# Altium PCB FPGA_SHIELD_MARK1_Single_Side.PcbDoc (part 2 of 3)
Units mil, origin at the board's own origin, x right, y up, seen from the top; angles counter-clockwise.
Board outline 3360 x 2600 mil, 4 copper layers (Top Layer, VCC, GND, Bottom Layer); 151 components, 185 nets, 729 pads, 460 vias.
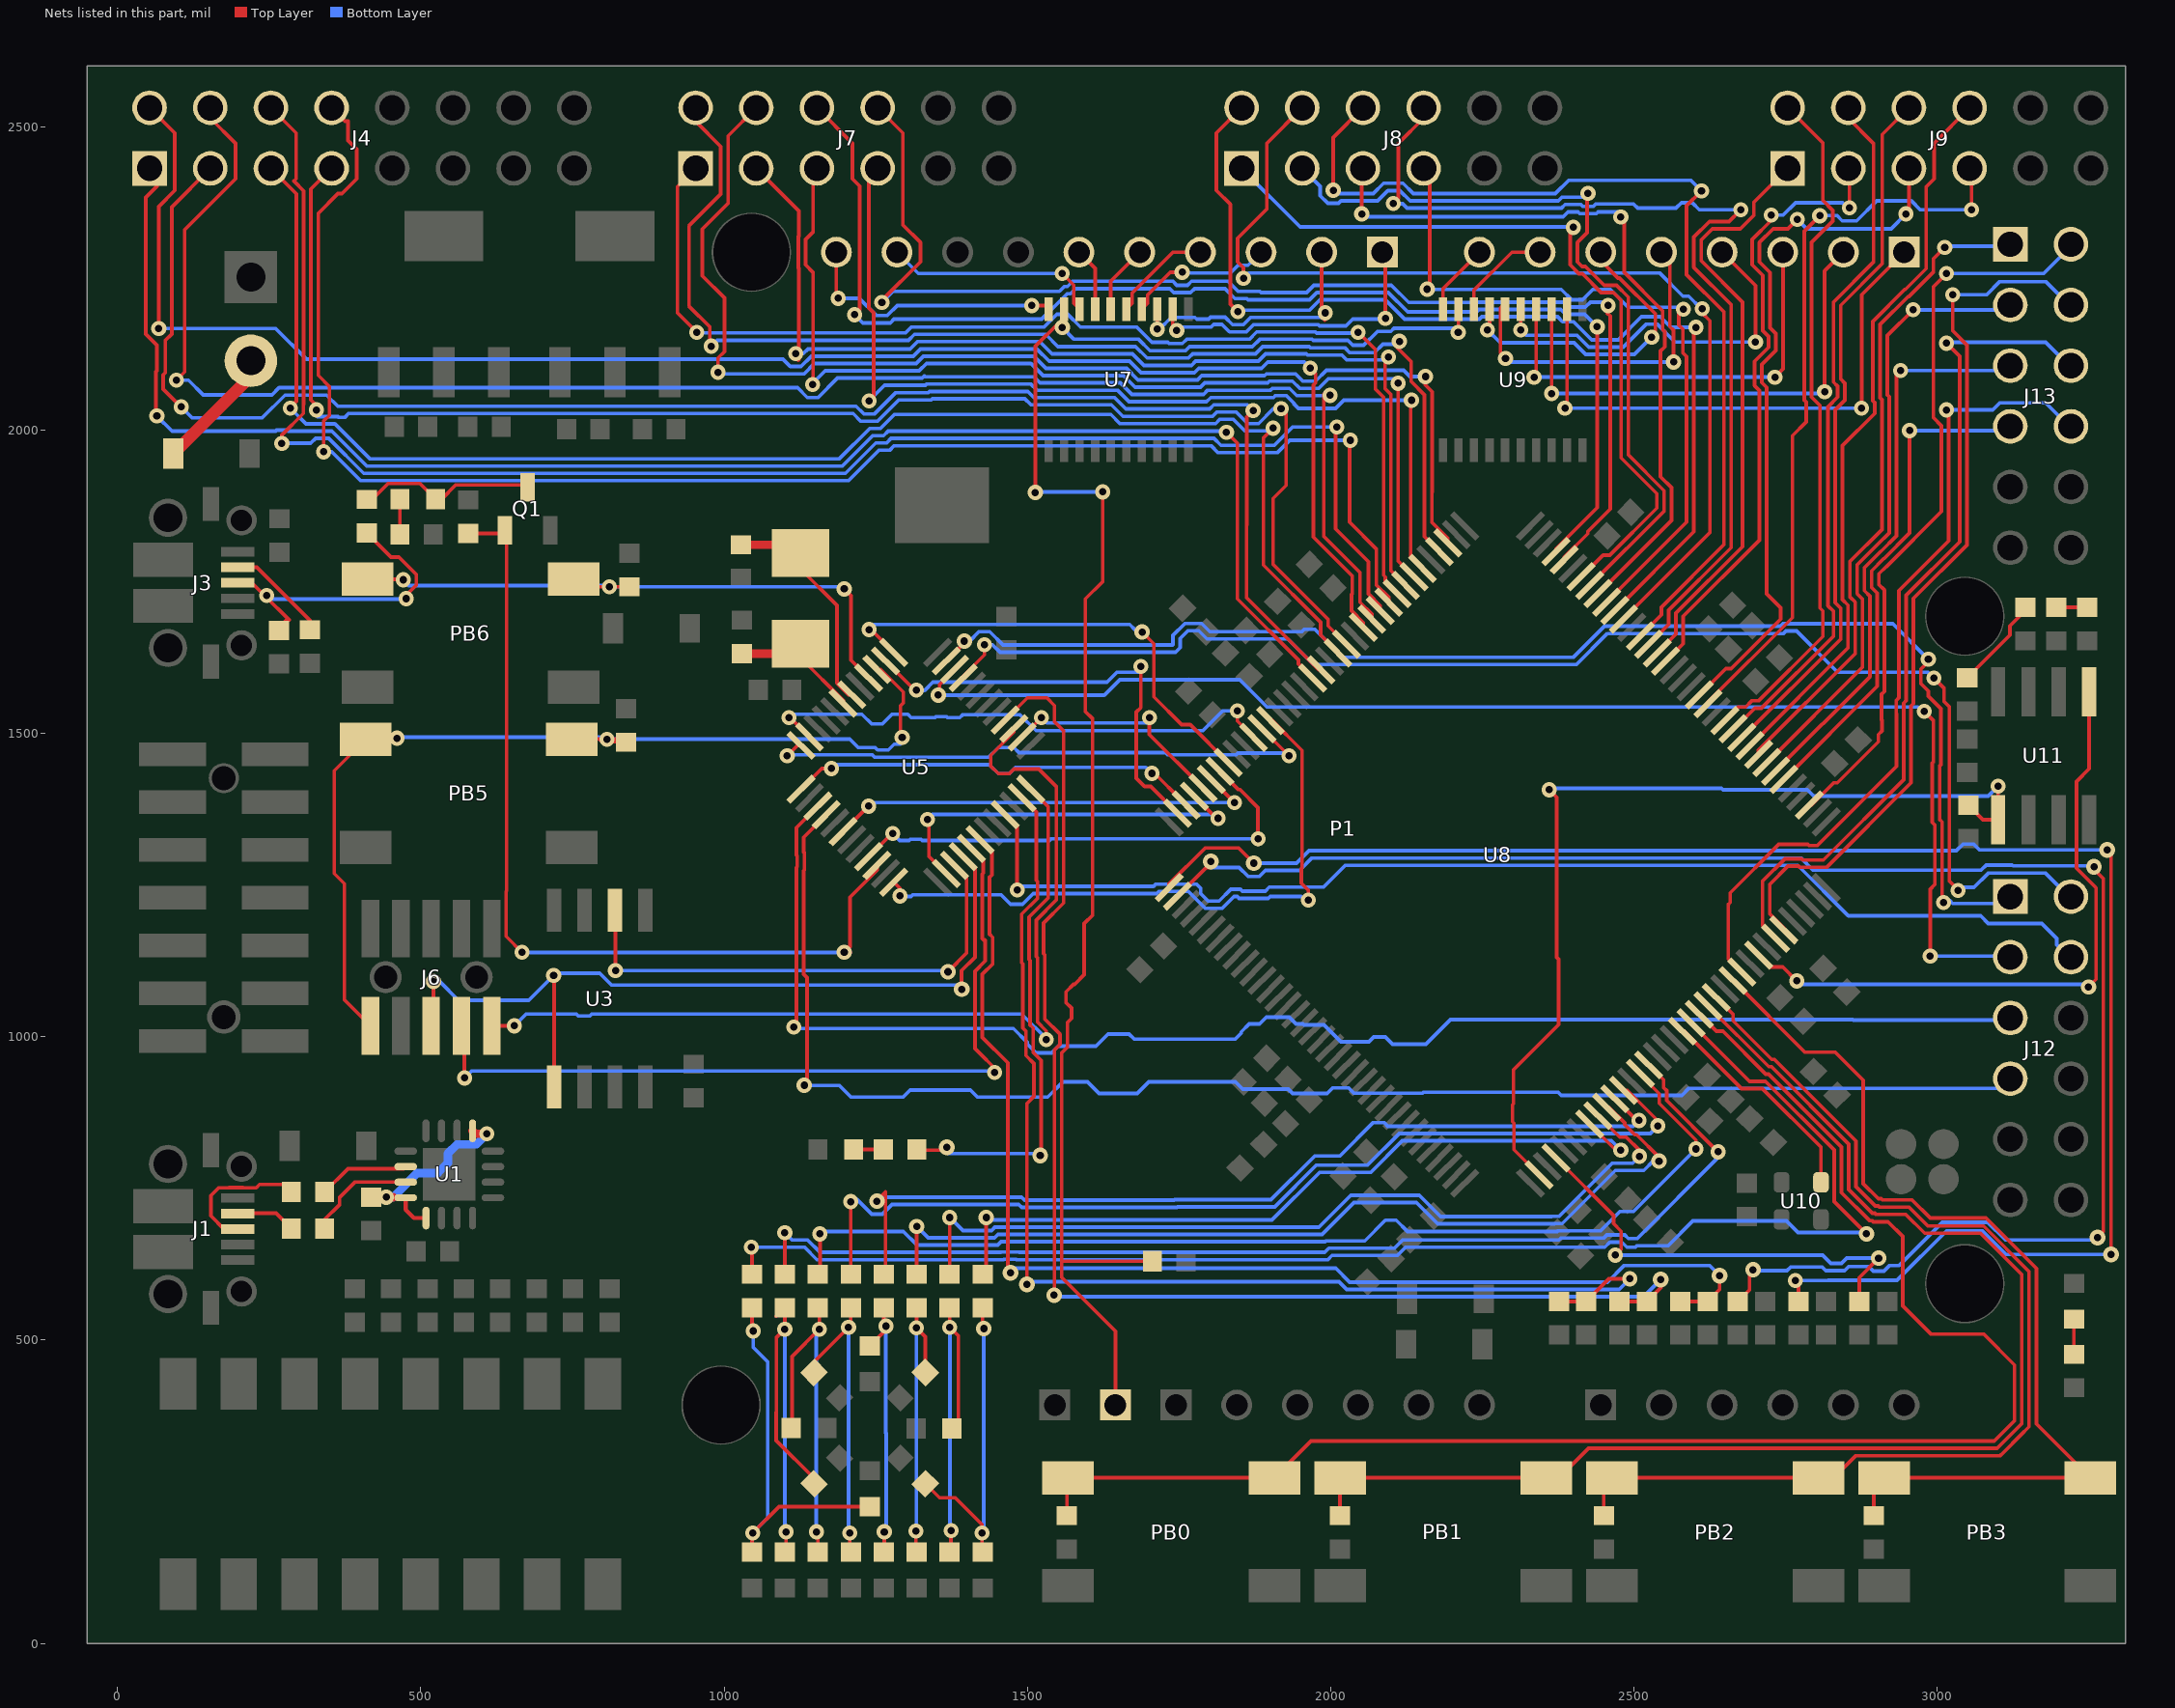
[diagram p4: the nets of this part, all layers, seen from the top]

## Via types
v1: diameter 25, hole 12, Top Layer to Bottom Layer, tented both sides, 386 vias
v2: diameter 25, hole 12, Top Layer to Bottom Layer, 37 vias
v3: diameter 26, hole 12, Top Layer to Bottom Layer, 16 vias
v4: diameter 26, hole 12, Top Layer to Bottom Layer, tented both sides, 12 vias
v5: diameter 26, hole 15, Top Layer to Bottom Layer, 5 vias
v6: diameter 25.98, hole 12.99, Top Layer to Bottom Layer, tented both sides, 4 vias

## Nets (pads, with @x,y where several pads share a name; then routed paths per layer and width w, separated by ;. In a path a pad name is that pad's centre, name@x,y a point inside that pad or via, vN(x,y) a via of type N, cw(c..) or ccw(c..) an arc to the next point about the centre after c; other vN are vias at no path point) (continued)
IOREF: P1.A0 R36.2 U7.19 U9.19 | length 2877.3
  Top Layer w6: v1(1513,1897) 1513,2138 v1@1550.72,2175.72 ; v1(1624,1898) 1624,1750 1595.5,1721.5 1595.5,1535.82 1607.5,1523.82 1607.5,1200.33 1593.5,1186.33 1593.5,1102.09 1577.91,1086.5 1576.09,1086.5 1563.5,1073.91 1563.5,1056.09 1572.5,1047.09 1572.5,1030.09 1566,1023.59 1566,982.62 1556.5,973.12 1556.5,632 ; P1.A0@1645,393 1645,514.6 1556.5,603.1 1556.5,632 ; R36.2@1705.97,630 1558.5,630 1556.5,632 ; v1(2210,2161) 2210.43,2161.43 U9.19@2210.43,2199.14
  Bottom Layer w6: v1(1513,1897) 1514,1898 v1(1624,1898) ; v1(1557.44,2169) 1576.94,2149.5 1683.12,2149.5 1702.12,2130.5 1760.39,2130.5 1767.39,2137.5 1870.82,2137.5 1882.82,2149.5 1969.41,2149.5 1971.41,2147.5 2028.09,2147.5 2036.09,2139.5 2053.91,2139.5 2076.91,2162.5 2099.09,2162.5 2104.09,2167.5 2203.5,2167.5 v1(2210,2161)
LED0: R19.2 U8.56 | length 2417.4
  Top Layer w6: v1(1045,653) 1046,652 R19.2@1046,608.56 ; U8.56@2593.76,1023 2690.26,926.5 2716.47,926.5 2829.76,813.21 2829.76,728.24 v3(2883,675)
  Bottom Layer w6: v1(1045,653) 1132.62,653 1153.12,632.5 1460.79,632.5 1461.29,633 1481.11,633 1481.61,632.5 1995.01,632.5 2002.01,639.5 2109.88,639.5 2123.38,653 2451.59,653 2460.09,661.5 2479.46,661.5 2487.96,653 2502,653 2504.5,655.5 2555.91,655.5 2596.91,696.5 2751.09,696.5 2770.09,677.5 2880.5,677.5 v3(2883,675)
LED1: R20.2 U8.51 | length 1890.5
  Top Layer w6: v1(1100,677) 1100.29,676.71 R20.2@1100.29,608.56 ; U8.51@2524.16,953.41 2548.5,929.06 2548.5,916.09 2553.55,911.05 2553.55,895.06 v1(2638.3,810.3)
  Bottom Layer w6: v1(1100,677) 1112,665 1137.59,665 1158.09,644.5 1455.82,644.5 1456.32,645 1486.08,645 1486.58,644.5 1990.04,644.5 1997.04,651.5 2104.91,651.5 2118.41,665 2376,665 2379,668 2449.62,668 2455.12,673.5 2484.43,673.5 2490.43,667.5 2505.31,667.5 2638.3,800.49 v1(2638.3,810.3)
LED2: R21.2 U8.50 | length 1766.3
  Top Layer w6: R21.2@1154.57,608.56 1158,611.99 v1(1158,675) ; U8.50@2510.24,939.49 2510.24,937.39 2541.55,906.08 2541.55,890.09 2602,829.64 v1(2602,815)
  Bottom Layer w6: v1(1158,675) 1162,679 1295.45,679 1317.95,656.5 1450.85,656.5 1456.35,662 1990.56,662 1992.06,663.5 2056.09,663.5 2090.09,697.5 2107.91,697.5 2126.41,679 2373.03,679 2374.03,680 2444.65,680 2476.62,711.96 2498.96,711.96 v1(2602,815)
LED3: R22.2 U8.48 | length 1611.7
  Top Layer w6: R22.2@1208.86,608.56 v1(1208.86,728.14) ; U8.48@2482.4,911.65 2488.76,911.65 2539,861.41 v1(2539,853)
  Bottom Layer w6: v1(1208.86,728.14) 1212.71,732 1218.59,732 1243.09,707.5 1260.91,707.5 1276.91,723.5 1485.53,723.5 1490.53,718.5 1746.38,718.5 1747.38,719.5 1907.5,719.5 1976.5,788.5 2060.91,788.5 2112.91,840.5 2526.5,840.5 v1(2539,853)
LED4: R23.2 U8.47 | length 1517.3
  Top Layer w6: v1(1252,729) 1252,730 1266,744 1266,611.42 R23.2@1263.14,608.56 ; U8.47@2468.48,897.73 2504.21,862 v1(2508,862)
  Bottom Layer w6: 1264,735.5 1490.51,735.5 1495.51,730.5 1741.41,730.5 1742.41,731.5 1901.55,731.5 1973.55,803.5 2015.09,803.5 2070.09,858.5 2087.91,858.5 2093.91,852.5 2498.5,852.5 v1(2508,862)
LED5: R25.2 U8.46 | length 1520.3
  Top Layer w6: R25.2@1317.43,608.56 v1(1317.43,687.43) ; U8.46@2454.56,883.81 2458.6,883.81 2484.5,857.91 2484.5,855.09 2501.09,838.5 2503.91,838.5 2541,801.41 v1(2541,795)
  Bottom Layer w6: v1(1317.43,687.43) 1336.36,668.5 1445.88,668.5 1451.38,674 1985.59,674 2038.09,726.5 2141.12,726.5 2176.12,691.5 2368.56,691.5 2369.06,692 2381.38,692 2468.88,779.5 2515.91,779.5 2531.41,795 v1(2541,795)
LED6: R26.2 U8.45 | length 1426.2
  Top Layer w6: R26.2@1371.71,608.56 1371.71,704.71 1372,704.43 v1(1372,702) ; U8.45@2440.64,869.89 2476.03,834.5 2486.91,834.5 2509,812.41 v1(2509,803)
  Bottom Layer w6: v1(1372,702) 1393.5,680.5 1440.91,680.5 1446.41,686 1980.62,686 2033.12,738.5 2146.09,738.5 2181.09,703.5 2363.59,703.5 2364.09,704 2376.41,704 2463.91,791.5 2497.5,791.5 v1(2509,803)
LED7: R27.2 U8.44 | length 1273.1
  Top Layer w6: R27.2@1426,608.56 1432,614.56 v1(1432,702) ; U8.44@2426.72,855.97 2469.69,813 v1(2478,813)
  Bottom Layer w6: v1(1432,702) 1436,698 1902.97,698 1981.47,776.5 2065.88,776.5 2117.88,828.5 2462.5,828.5 v1(2478,813)
MISO: U3.2 U5.27 | length 844.3
  Top Layer w6: U3.2@820,1208.67 821,1207.67 v1(821,1109) ; v3(1369,1107) 1399.5,1137.5 1399.5,1263.06 U5.27@1380.03,1282.53
  Bottom Layer w6: v1(821,1109) v3@1369,1109
MOSI_SWO: J6.6 U3.5 U5.28 | length 1406.7
  Top Layer w6: J6.6@517,1018 521,1022 v1(521,1091) ; v1(719,1101) 720,1100 U3.5@720,917.33 ; v3(1391.5,1078.25) 1391.5,1109.11 1413.39,1131 1413.39,1277.01 U5.28@1393.95,1296.45
  Bottom Layer w6: v1(521,1091) 531,1091 562,1060 678,1060 v1(719,1101) 722.5,1104.5 795.09,1104.5 814.59,1085 1384.75,1085 v3(1391.5,1078.25)
NetC1_2: C1.2 U1.1 U1.8 U1.9 | length 329.1
  Top Layer w7: U1.8@475.15,734.61 475.15,714.85 488.85,701.15 U1.9@508.61,701.15
  Top Layer w14: C1.2@418,735.56 v1@454,735.56 ; U1.1@585.39,844.85 590.24,840 v1(609,840)
  Bottom Layer w14: v1@454,736 454,735 494.37,775.37 528.13,775.37 544.63,791.87 544.63,807.39 559.86,822.61 591.61,822.61 v1(609,840)
  other v1: 443,735.56
NetC9_2: C9.2 U5.7 U6.1 | length 231.1
  Top Layer w6: U6.1@1126,1647.94 1126,1624.41 1196.29,1554.11 U5.7@1196.29,1549.79
  Top Layer w14: C9.2@1029,1631.44 1109.5,1631.44 U6.1@1126,1647.94
NetC10_2: C10.2 U5.6 U6.2 | length 375
  Top Layer w6: U6.2@1126,1797.54 1126,1771 1186,1711 1186,1583 1205.29,1563.71 U5.6@1210.21,1563.71
  Top Layer w14: C10.2@1028,1810.56 1112.98,1810.56 U6.2@1126,1797.54
NetC29_1: C29.1 R32.1 U5.35 | length 1976.7
  Top Layer w6: U5.35@1491.38,1393.89 1514.66,1370.61 1514.66,1257.71 1516.5,1255.88 1516.5,1228.12 1490.5,1202.12 1490.5,1122.18 1492.5,1120.18 1492.5,1014.18 1497.5,1009.18 1497.5,968.91 1510.5,955.91 1510.5,901.51 1499,890.01 v3(1499,592) ; R32.1@2376,563.56 C29.1@2421,563.56 2458.44,601 v2(2493,601)
  Bottom Layer w6: v3(1499,592) 1503,596 2013.62,596 2026.12,583.5 2475.5,583.5 v2(2493,601)
NetC32_1: C32.1 R34.1 U5.40 | length 2213.3
  Top Layer w6: U5.40@1463.55,1521.95 1500,1558.4 1531.9,1558.4 1544.5,1545.81 1544.5,1518.94 1559.5,1503.94 1559.5,1220.21 1526.5,1187.21 1526.5,1137.09 1528.5,1135.09 1528.5,1029.09 1553.5,1004.09 1553.5,987.09 1544.5,978.09 1544.5,574.5 v3(1544,574) ; R34.1@2475,564.56 R34.1@2476,563.56 C32.1@2521,563.56 2544,586.56 v4(2544,600)
  Bottom Layer w6: v3(1544,574) 1546.5,571.5 2515.5,571.5 v4(2544,600)
NetC37_1: C37.1 R35.1 U5.30 | length 2052.6
  Top Layer w6: U5.30@1421.79,1324.29 1441.23,1304.85 1441.23,1266.57 1437.39,1262.73 1437.39,1168.99 1442.5,1163.88 1442.5,1119.91 1425.5,1102.91 1425.5,1085.09 1425.5,1066.42 1425.5,998.91 1467.5,956.91 1467.5,615.5 v3(1472,611) ; R35.1@2572,567.56 R35.1@2576,563.56 C37.1@2621,563.56 2641,583.56 v4(2641,606)
  Bottom Layer w6: v3(1472,611) 1479.25,618.25 2008.34,618.25 2031.09,595.5 2456.39,595.5 2483.89,623 2624,623 v4(2641,606)
NetC46_2: C46.2 R45.1 | length 155.8
  Top Layer w6: C46.2@3049,1591.56 3119.27,1661.83 3119.27,1677.19 3145,1702.92 R45.1@3145,1707.56
NetC47_1: C47.1 R46.2 | length 51
  Top Layer w6: R46.2@3196,1707.56 C47.1@3247,1707.56
NetD1_2: D1.2 J5.2 | length 206.1
  Top Layer w20: D1.2@92.01,1961 220,2088.99 J5.2@220,2114.1
NetD3_A: D3.A Q1.3 R7.1 | length 297.8
  Top Layer w6: R7.1@411,1885.56 419.82,1885.56 446,1911.73 498.8,1911.73 D3.A@524.53,1886 534.23,1886 557.54,1909.31 672.13,1909.31 Q1.3@676,1905.43
NetD3_C: D3.C R9.2 | length 58
  Top Layer w6: R9.2@465.47,1828.03 D3.C@465.47,1886
NetD7_C: D7.C R44.1 | length 57.9
  Top Layer w6: R44.1@3225,476.56 D7.C@3225,534.47
NetDC1_A: DC1.A DC10.A R19.1 | length 635.5
  Top Layer w6: DC1.A@1046,150.53 1046,181 v1(1047,182) 1090.47,225.47 DC10.A@1240,225.47 ; R19.1@1046,553.44 1046,517 v1(1048,515)
  Bottom Layer w6: v1(1047,182) 1072,207 1072,464 1048,488 v1(1048,515)
NetDC2_A: DC2.A R24.2 | length 48.9
  Top Layer w6: DC2.A@1213.53,814 R24.2@1262.44,814
NetDC3_A: DC3.A DC5.A R20.1 | length 711.2
  Top Layer w6: R20.1@1085.72,539.17 R20.1@1100,553.44 ; DC3.A@1100.29,150.53 1102,152.24 v1(1102,184) ; R20.1@1100.29,553.44 1100.29,518.29 v1(1100,518) 1086,504 1086,381.01 1085.72,380.73 1085.72,334.54 1148.41,271.85 DC5.A@1148.41,263.41
  Bottom Layer w6: v1(1100,518) 1100,186 v1(1102,184)
NetDC4_A: DC4.A DC6.A R21.1 | length 589.3
  Top Layer w6: DC6.A@1110.47,355 1112,356.53 1112,473 v1(1157,518) 1157,551.01 R21.1@1154.57,553.44 ; v1(1152,184) 1154.57,181.43 DC4.A@1154.57,150.53
  Bottom Layer w6: v1(1152,184) 1152,513 v1(1157,518)
NetDC7_A: DC7.A DC8.A R22.1 | length 501.1
  Top Layer w6: DC7.A@1148.41,446.59 1148.41,464.41 v1(1205,521) 1208.86,524.86 R22.1@1208.86,553.44 ; v1(1207,182) 1207,152.38 DC8.A@1208.86,150.53
  Bottom Layer w6: v1@1205,184 v1(1205,521)
NetDC9_A: DC9.A DC11.A R23.1 | length 450.2
  Top Layer w6: DC11.A@1240,490.53 1267,517.53 v1(1267,523) 1263.14,526.86 R23.1@1263.14,553.44 ; DC9.A@1263.14,150.53 1264,151.38 v1(1264,184)
  Bottom Layer w6: v1(1264,184) 1267,187 1267,346.59 1266.5,347.09 1266.5,522.5 v1(1267,523)
NetDC12_A: DC12.A DC16.A R25.1 | length 483.6
  Top Layer w6: v1(1316,185) 1316,151.96 DC12.A@1317.43,150.53 ; R25.1@1317.43,553.44 1317.43,520.43 v1(1317,520) 1331.59,505.41 DC16.A@1331.59,446.59
  Bottom Layer w6: v1(1316,185) 1317,186 v1(1317,520)
NetDC13_A: DC13.A DC15.A R26.1 | length 581.9
  Top Layer w6: DC13.A@1371.71,150.53 1374,152.81 v1(1374,186) ; R26.1@1371.71,553.44 1371.71,521.29 v1(1372,521) 1386,507 1386,364.47 DC15.A@1375.53,354
  Bottom Layer w6: v1(1372,521) 1372,188 v1(1374,186)
NetDC14_A: DC14.A DC17.A R27.1 | length 540.7
  Top Layer w6: DC14.A@1331.59,263.41 1355,240 1381,240 1425,196 v1(1425,182) 1425,151.53 DC17.A@1426,150.53 ; R27.1@1426,553.44 1426,521 v1(1428,519)
  Bottom Layer w6: v1(1425,182) 1428,185 v1(1428,519)
NetJ1_2: J1.2 R4.1 | length 97.7
  Top Layer w6: J1.2@199.29,708.59 199.7,709 261.44,709 R4.1@286.44,684
NetJ1_3: J1.3 R5.1 | length 233.2
  Top Layer w6: J1.3@199.29,683 J1.3@198.29,683 175.72,683 154,704.72 154,738.05 167,751.06 183.58,751.06 184,751.47 207,751.47 207.42,751.06 228.65,751.06 234.09,756.5 273.94,756.5 R5.1@286.44,744
NetJ3_2: J3.2 R6.1 | length 169.7
  Top Layer w6: J3.2@199.29,1773.59 229.81,1773.59 317,1686.41 R6.1@317,1670.56
NetJ3_3: J3.3 R1.1 R7.2 | length 528.5
  Top Layer w6: J3.3@199.29,1748 221.86,1748 v1@242.86,1727 ; v1(246,1727) v1@242.86,1727 ; R1.1@266,1669.56 266,1674 278.86,1686.86 283,1686.86 v1@242.86,1727 ; R7.2@411,1830.44 450.94,1790.5 463.91,1790.5 492.5,1761.91 492.5,1744.09 476,1727.59 v1(476,1722)
  Bottom Layer w6: v1(246,1727) 252,1721 475,1721 v1(476,1722)
NetJ6_2: J6.2 U5.39 | length 1588.5
  Top Layer w6: J6.2@617,1018 v1(654,1018) ; U5.39@1477.47,1508.03 1477.47,1501.87 1439.5,1463.91 1439.5,1446.09 1452.09,1433.5 1469.91,1433.5 1477.57,1441.17 1518.74,1441.17 1547.5,1412.41 1547.5,1225.18 1514.5,1192.18 1514.5,1132.12 1516.5,1130.12 1516.5,1024.12 1531,1009.62 v1(1531,995)
  Bottom Layer w6: v1(654,1018) 673.5,1037.5 756.39,1037.5 759.89,1034 778.11,1034 781.61,1037.5 1490.5,1037.5 1532,996 v1(1531,995)
NetJ6_4: J6.4 U5.29 | length 1393.9
  Top Layer w6: J6.4@567,1018 572,1013 v1(572,932) ; U5.29@1407.87,1310.37 1407.87,1309.16 1427.31,1289.72 1427.31,1269.62 1425.39,1267.71 1425.39,1161.86 1427.75,1159.5 1429.91,1159.5 1430.5,1158.91 1430.5,1124.88 1413.5,1107.88 1413.5,1080.12 1413.5,1071.39 1413.5,980.5 1453,941 v1(1446,941)
  Bottom Layer w6: v1(572,932) 583.5,943.5 1450.5,943.5 1453,941 v1(1446,941)
NetJ6_10: J6.10 PB5.B R17.2 U5.3 | length 1678.8
  Top Layer w6: PB5.B@409,1490 357.5,1438.5 357.5,1268.77 374,1252.27 374,1061 J6.10@417,1018 ; PB5.B@409,1491 460,1491 v1(461,1492) ; PB5.B@736,1491 794,1491 ; R17.2@825,1486.44 798.56,1486.44 794,1491 ; R17.2@832,1493.44 829.56,1491 794,1491 ; U5.3@1251.97,1605.47 1257.94,1605.47 1295.5,1567.91 1295.5,1550.09 1290.5,1545.09 1290.5,1496.38 v1(1293.44,1493.44)
  Bottom Layer w6: v1(461,1492) 462.44,1493.44 794,1493.44 ; 794,1491 794.5,1490.5 1207.09,1490.5 1221.09,1476.5 1249.09,1476.5 1253.09,1472.5 1270.91,1472.5 1280.41,1482 v1@1290.5,1482
  other v1: 807,1490
NetP1_C1: P1.C1 U9.12 | length 950.6
  Top Layer w6: v1(2386,2036) 2389.57,2039.57 U9.12@2389.57,2210.14 ; v1(2875,2036) 2875,2223 P1.C1@2945,2293
  Bottom Layer w6: v1(2386,2036) v1(2875,2036)
NetP1_C2: P1.C2 U9.13 | length 843
  Top Layer w6: v1(2364,2060) U9.13@2363.98,2210.14 ; v1(2814,2063) 2814,2262 P1.C2@2845,2293
  Bottom Layer w6: v1(2364,2060) v1@2814,2060
NetP1_C3: P1.C3 U9.14 | length 733.3
  Top Layer w6: v1(2335,2087) 2338.39,2090.39 U9.14@2338.39,2210.14 ; v1(2732,2087) 2745.5,2100.5 2745.5,2292.5 P1.C3@2745,2293
  Bottom Layer w6: v1(2335,2087) v1(2732,2087)
NetP1_C4: P1.C4 U9.15 | length 642.8
  Top Layer w6: U9.15@2312.8,2210.14 2313,2209.94 v1(2313,2165) ; P1.C4@2645,2293 2700,2238 v1(2700,2145)
  Bottom Layer w6: v1(2313,2165) 2322,2156 2405.62,2156 2425.12,2136.5 2482.09,2136.5 2520.09,2174.5 2537.91,2174.5 2567.41,2145 v1(2700,2145)
NetP1_C5: P1.C5 U9.16 | length 568.3
  Top Layer w6: U9.16@2287.2,2210.14 2288,2209.35 2279.5,2200.85 2279.5,2126.5 v1(2288,2118) ; P1.C5@2545,2293 2559,2279 2559,2170.38 2565,2164.38 v1(2565,2112)
  Bottom Layer w6: v1(2288,2118) 2294,2112 v1(2565,2112)
NetP1_C6: P1.C6 U9.17 | length 529.1
  Top Layer w6: v1(2258,2165) 2261,2165 2261.61,2165.61 U9.17@2261.61,2199.14 U9.17@2261.61,2210.14 ; P1.C6@2445,2293 2445,2279 2473.5,2250.5 2475.85,2250.5 2535,2191.35 2535,2159 v1(2529,2153)
  Bottom Layer w6: v1(2258,2165) 2279.5,2143.5 2401.15,2143.5 2420.15,2124.5 2500.5,2124.5 v1(2529,2153)
NetP1_C7: P1.C7 U9.18 | length 155.1
  Top Layer w6: U9.18@2236.02,2210.14 2236.02,2230.21 2298.82,2293 P1.C7@2345,2293
NetP1_C8: P1.C8 U9.20 | length 107.8
  Top Layer w6: U9.20@2184.84,2210.14 2184.84,2232.84 P1.C8@2245,2293
NetP1_D1: P1.D1 U7.12 | length 513.2
  Top Layer w6: U7.12@1739.57,2199.14 1739.57,2170.43 v1(1746,2164) ; P1.D1@2085,2293 2090,2288 v1(2090,2184)
  Bottom Layer w6: v1(1746,2164) 1751.5,2169.5 1802.5,2169.5 1807,2174 1820.62,2174 1833.12,2161.5 1860.88,2161.5 1872.88,2173.5 1979.35,2173.5 1981.35,2171.5 2025.09,2171.5 2036.09,2182.5 2088.5,2182.5 v1(2090,2184)
NetP1_D2: P1.D2 U7.13 | length 460.7
  Top Layer w6: v1(1714,2166) U7.13@1713.98,2199.14 ; P1.D2@1985,2293 1985,2186 1990,2181 1991,2182 v1(1991,2193)
  Bottom Layer w6: v1(1714,2166) 1717.59,2166 1737.09,2185.5 1776.09,2185.5 1779.09,2182.5 1798.53,2182.5 1802.03,2186 1825.59,2186 1838.09,2173.5 1855.91,2173.5 1867.91,2185.5 1983.5,2185.5 v1(1991,2193)
NetP1_D3: P1.D3 U7.14 | length 244.8
  Top Layer w6: U7.14@1688.39,2199.14 1698.09,2208.84 1698.09,2222.55 1735.53,2260 v1(1755,2260)
  Bottom Layer w6: v1(1755,2260) 1756.5,2258.5 1834.09,2258.5 1847.09,2271.5 1863.5,2271.5 P1.D3@1885,2293
NetP1_D4: P1.D4 U7.15 | length 170.8
  Top Layer w6: U7.15@1662.8,2199.14 1672.5,2208.84 1672.5,2225.5 1740,2293 P1.D4@1785,2293
NetP1_D5: P1.D5 U7.16 | length 113.7
  Top Layer w6: U7.16@1637.2,2199.14 1637.2,2245.2 P1.D5@1685,2293
NetP1_D6: P1.D6 U7.17 | length 104.9
  Top Layer w6: P1.D6@1585,2293 1611.61,2266.39 U7.17@1611.61,2199.14
NetP1_D9: P1.D9 U7.18 | length 357.4
  Top Layer w6: v1(1557,2258) 1576.32,2238.68 1576.32,2208.84 U7.18@1586.02,2199.14
  Bottom Layer w6: P1.D9@1285,2293 1320,2258 v1(1557,2258)
NetP1_D10: P1.D10 U7.20 | length 445.2
  Top Layer w6: P1.D10@1185,2293 1185,2220 v1(1188,2217) ; v1(1507,2205) 1528.98,2205 U7.20@1534.84,2199.14
  Bottom Layer w6: v1(1188,2217) 1222.59,2217 1251.09,2188.5 1268.91,2188.5 1285.41,2205 v1(1507,2205)
NetPB6_B: PB6.B R18.2 U5.4 | length 1054.3
  Top Layer w6: PB6.B@412,1754 470,1754 v1(471,1753) ; PB6.B@752,1754 764.56,1741.44 v1(811,1741.44) R18.2@844,1741.44 ; v1(1198,1738) 1209,1727 1209,1620.6 U5.4@1238.05,1591.55 U5.4@1239.45,1591.55
  Bottom Layer w6: v1(471,1753) 480.5,1743.5 808.94,1743.5 v1(811,1741.44) 811.06,1741.5 1194.5,1741.5 v1(1198,1738)
NetQ1_1: Q1.1 R12.1 U5.22 | length 1477.3
  Top Layer w6: R12.1@578,1829.44 633.47,1829.44 Q1.1@638.6,1834.57 641.5,1831.67 641.5,1240.09 640.5,1239.09 640.5,1165.5 v1(667,1139) ; v1@1207.5,1139 v1(1198,1139) 1207.5,1148.5 1207.5,1229.91 1251.97,1274.38 U5.22@1251.97,1282.53
  Bottom Layer w6: v1(667,1139) v1(1198,1139)
NetR4_2: R4.2 U1.7 | length 180.8
  Top Layer w6: R4.2@341.56,684 341.56,698.79 366.31,723.54 366.31,735.31 391.31,760.31 475.05,760.31 U1.7@475.15,760.2
NetR5_2: R5.2 U1.6 | length 150.9
  Top Layer w6: R5.2@341.56,744 379.84,782.28 471.64,782.28 U1.6@475.15,785.8
NetR24_1: R24.1 U5.36 | length 854.1
  Top Layer w6: R24.1@1317.56,814 1318.56,813 1362,813 v4(1367,818) ; U5.36@1505.3,1407.81 1534,1379.11 1534,1228.65 1502.5,1197.15 1502.5,1127.15 1504.5,1125.15 1504.5,1019.15 1509.5,1014.15 1509.5,973.88 1522.5,960.88 1522.5,805.5 v4(1521,804)
  Bottom Layer w6: v4(1367,818) 1367,810 1369.5,807.5 1517.5,807.5 v4(1521,804)
NetR37_2: R37.2 U8.2 | length 2892.8
  Top Layer w6: U8.2@1747.45,1231.79 1794.66,1279 1802,1279 v4(1802,1289) ; R37.2@2671,563.56 2690.27,582.83 2690.27,610.27 v2(2696,616) ; v3(3258,1280) 3258,1276 3273.5,1260.5 3273.5,678.5 v3(3264,669)
  Bottom Layer w6: v4(1802,1289) 1802,1279 1848.89,1279 1863.89,1264 1882.11,1264 1892.11,1274 1948.59,1274 1969.09,1294.5 2774.72,1294.5 2794.72,1274.5 3071.8,1274.5 3080.3,1283 3123,1283 3124.5,1281.5 3256.5,1281.5 v3(3258,1280) ; v2(2696,616) 2697.5,614.5 2752.09,614.5 2758.09,620.5 2809.91,620.5 2815.91,614.5 2846.88,614.5 2853.68,621.31 2886.29,621.31 2894.09,613.5 2911.91,613.5 2921.41,623 2937,623 3008,694 3083,694 3112,665 3260,665 v3(3264,669)
NetR39_2: R39.2 U8.1 | length 2880.4
  Top Layer w6: U8.1@1733.53,1245.71 1733.53,1251.65 1792.89,1311 1848,1311 v4(1873,1286) ; v2(2766,598) 2771,593 R39.2@2771,563.56 ; v3(3280,1308) 3286,1302 v3(3286,641)
  Bottom Layer w6: v4(1873,1286) 1943.62,1286 1964.12,1306.5 3031.09,1306.5 3042.09,1317.5 3059.91,1317.5 3069.41,1308 v3(3280,1308) ; v2(2766,598) 2819.5,598 2820,598.5 2933.5,598.5 3015,680 3074,680 3113,641 v3(3286,641)
NetR42_2: R42.2 U8.40 | length 736.6
  Top Layer w6: U8.40@2371.04,800.29 2466,705.34 2466,691.93 2478.52,679.41 2478.52,649.52 v2(2469,640) ; R42.2@2871,563.56 2871,603 v2(2903,635)
  Bottom Layer w6: v2(2469,640) 2810.59,640 2824.09,626.5 2841.91,626.5 2850.41,635 v2(2903,635)
NetR43_1: R43.1 U8.38 U11.1 | length 1558
  Top Layer w6: U8.38@2343.21,772.45 2302,813.66 2302,857.62 2299.5,860.12 2299.5,887.88 2301.03,889.41 2301.03,945.44 2375.5,1019.91 2375.5,1127.91 2372.5,1130.91 2372.5,1394.5 v1(2360,1407) ; R43.1@3051,1381.56 3074.87,1357.69 U11.1@3100,1357.69 v1(3100,1413)